# KiCad board BACKUP_PCB.kicad_pcb (continued)
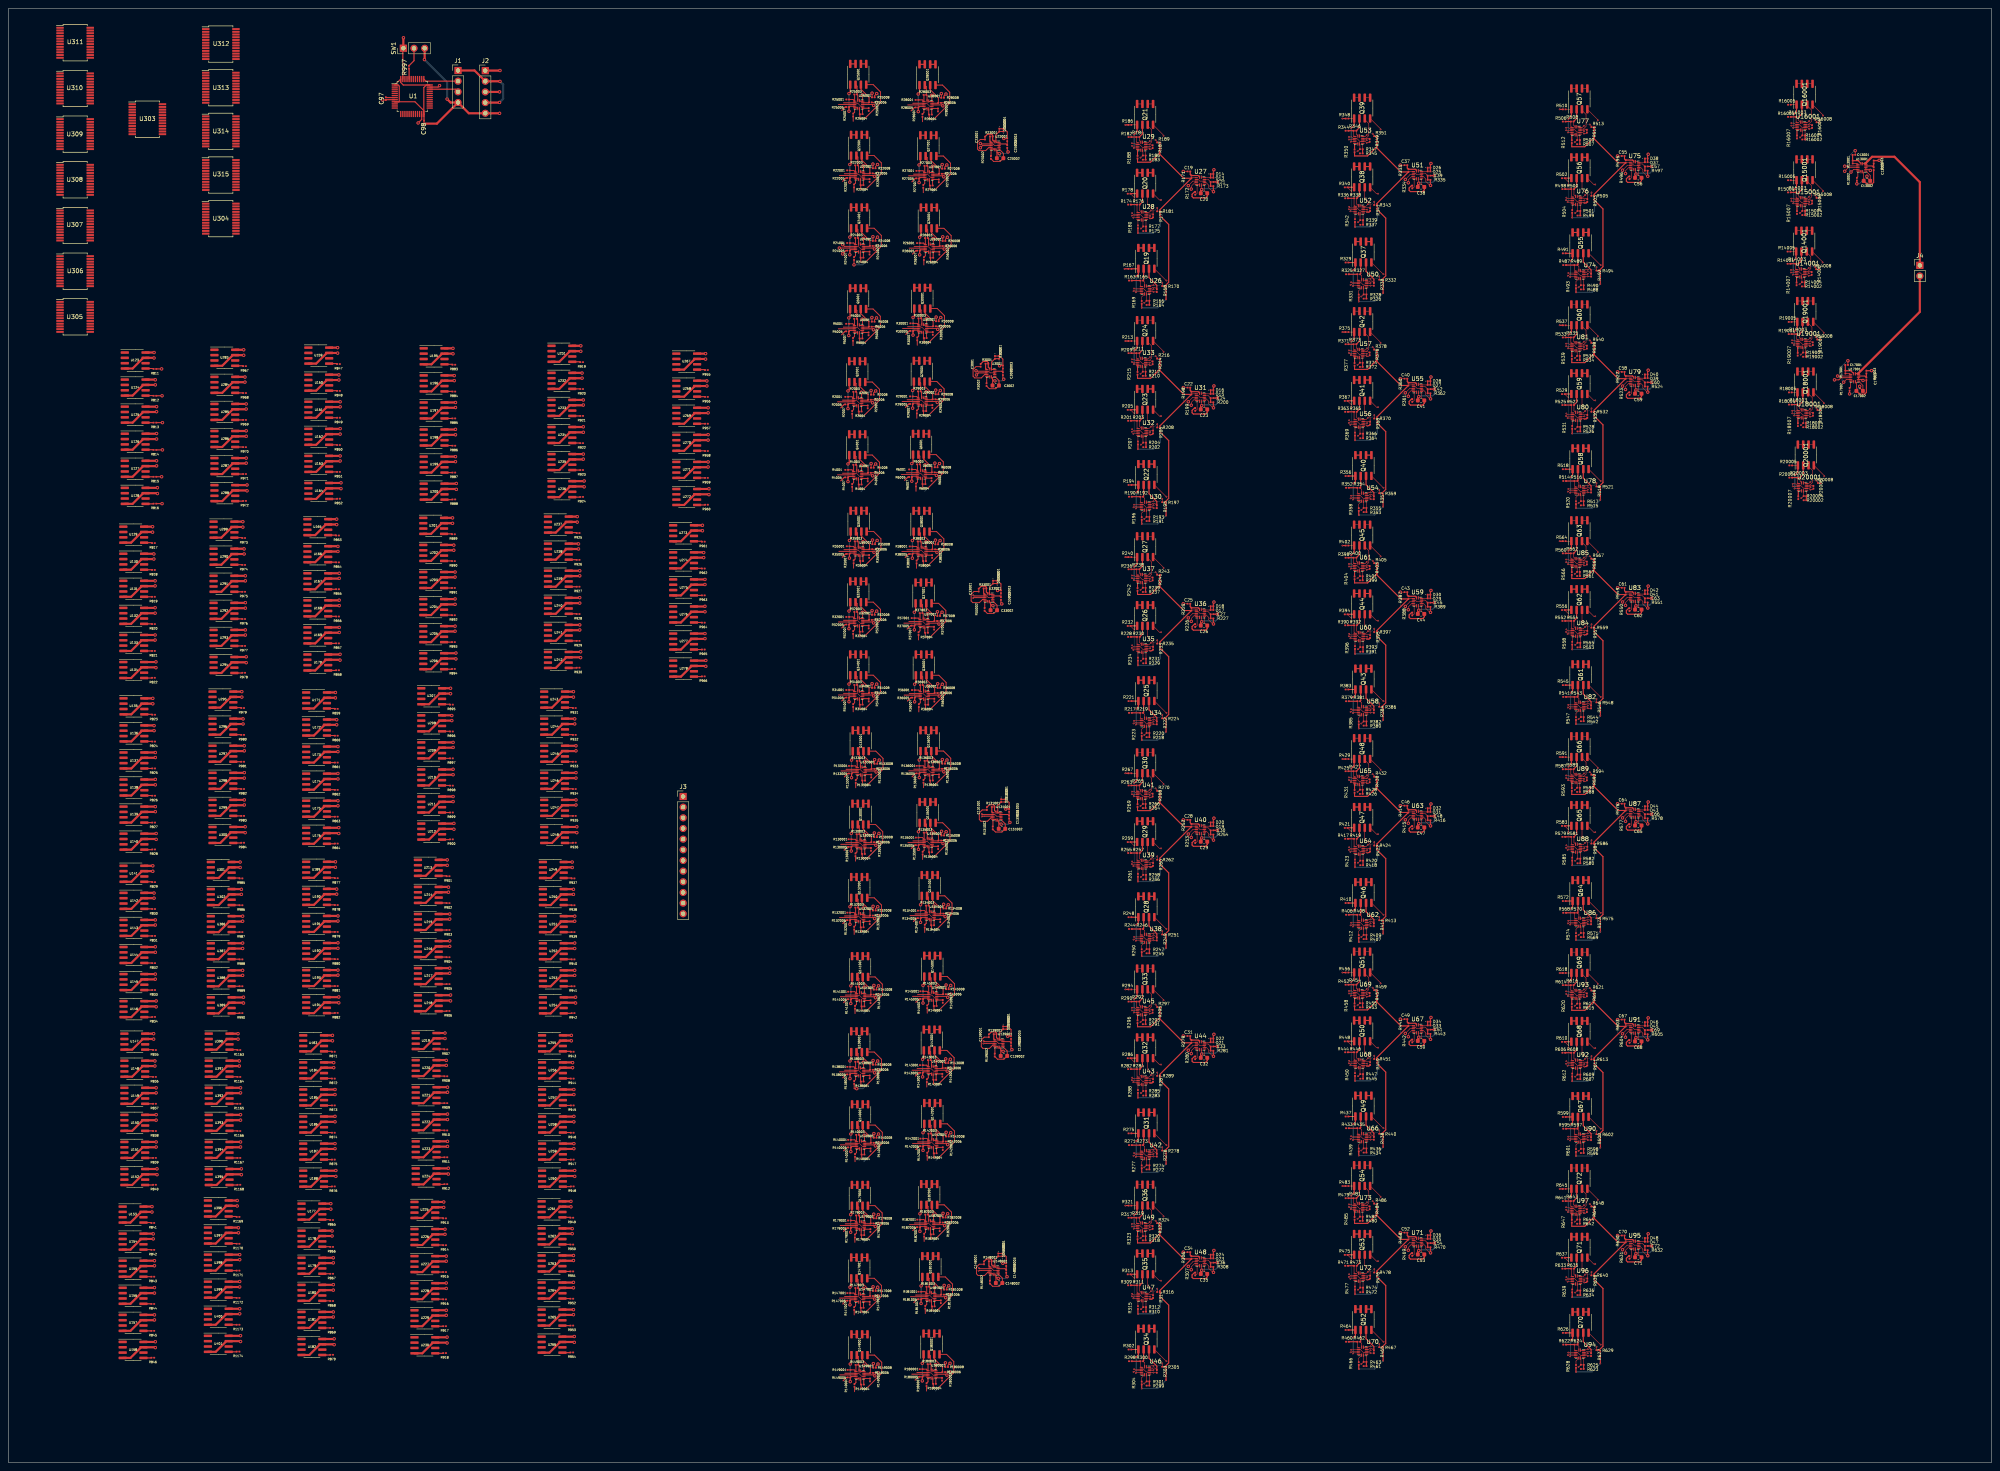
[diagram p0: board, top side]
## Routing (per net, layer and track width the routed paths; a pad name or vN(x,y) marks a point on that pad's centre or on a via; arc(x,y) is an arc through that point) (continued)
Net-(U20001B--): length 2.3
  Top w0.1: U20001.5 427.01,231.7 U20001.6
  Top w0.25: 426.41,231.67 426.38,231.67 426.36,231.65 R20007.1
Net-(U20001C--): length 2.4
  Top w0.1: R20004.1 428.28,231.67
  Top w0.25: R20004.1 R20002.2
Net-(U20001D--): length 4.2
  Top w0.1: R20008.1 431.04,233.62 v1(430.66,234) ; U20001.13 428.16,233.45 U20001.12 428.86,233.3 v1(429.26,233.7)
  Bottom w0.1: v1(429.26,233.7) 429.56,234 v1(430.66,234)
Net-(U22001A--): length 3.1
  Top w0.2: R22001.2 201.38,307.9 U22001.1 201.78,309.03 R22003.1
Net-(U22001B--): length 2.3
  Top w0.2: U22001.6 202.38,305.9 U22001.5 201.78,304.87 R22007.1
Net-(U22001C--): length 3
  Top w0.2: R22004.1 203.65,305.87 U22001.8 203.76,305.82 R22002.2
Net-(U22001D--): length 5.8
  Top w0.2: R22008.1 205.93,308.42 v2(205.93,309.4) ; v2(203.63,309) 203.68,308.95 U22001.12 203.08,307.5 U22001.13
  Bottom w0.2: v2(203.63,309) 205.53,309 v2(205.93,309.4)
Net-(U23001B-+): length 7.4
  Top w0.2: U23001.4 233.58,313.4 232.78,312.6 231.23,312.6 230.83,313 230.83,314.59 231.52,315.28 C23001.2
Net-(U23001B--): length 2.5
  Top w0.2: R23002.1 234.08,311.37 U23001.5 234.68,313 U23001.6
Net-(U23001C--): length 6.2
  Top w0.2: U23001.8 237,311.98 C23002.1 236.23,310.02 234.68,310.02 R23002.2
Net-(U23001D-+): length 3
  Top w0.2: R23003.1 C23003.2 237.65,314.2 U23001.11
Net-(U24001A--): length 3.1
  Top w0.2: R24003.1 201.78,291.73 U24001.1 201.38,290.6 R24001.2
Net-(U24001B--): length 2.3
  Top w0.2: U24001.6 202.38,288.6 U24001.5 201.78,287.57 R24007.1
Net-(U24001C--): length 3
  Top w0.2: R24004.1 203.65,288.57 U24001.8 203.76,288.52 R24002.2
Net-(U24001D--): length 5.8
  Top w0.2: R24008.1 205.93,291.12 v2(205.93,292.1) ; U24001.13 203.08,290.2 U24001.12 203.68,291.65 v2(203.63,291.7)
  Bottom w0.2: v2(205.93,292.1) 205.53,291.7 v2(203.63,291.7)
Net-(U25001A--): length 3.1
  Top w0.2: R25003.1 201.58,325.93 U25001.1 201.18,324.8 R25001.2
Net-(U25001B--): length 2.3
  Top w0.2: U25001.6 202.18,322.8 U25001.5 201.58,321.77 R25007.1
Net-(U25001C--): length 3
  Top w0.2: R25004.1 203.45,322.77 U25001.8 203.56,322.72 R25002.2
Net-(U25001D--): length 5.8
  Top w0.2: U25001.13 202.88,324.4 U25001.12 203.48,325.85 v2(203.43,325.9) ; R25008.1 205.73,325.32 v2(205.73,326.3)
  Bottom w0.2: v2(203.43,325.9) 205.33,325.9 v2(205.73,326.3)
Net-(U26001A--): length 3.1
  Top w0.2: R26001.2 218.01,290.57 U26001.1 218.41,291.7 R26003.1
Net-(U26001B--): length 2.3
  Top w0.2: U26001.6 219.01,288.57 U26001.5 218.41,287.55 R26007.1
Net-(U26001C--): length 3
  Top w0.2: R26004.1 220.28,288.55 U26001.8 220.39,288.5 221.76,288.5
Net-(U26001D--): length 5.8
  Top w0.2: U26001.13 219.71,290.18 U26001.12 220.31,291.62 v2(220.26,291.68) ; R26008.1 222.56,291.1 v2(222.56,292.07)
  Bottom w0.2: v2(220.26,291.68) 222.16,291.68 v2(222.56,292.07)
Net-(U27001A--): length 3.1
  Top w0.2: R27001.2 217.88,307.8 U27001.1 218.28,308.93 R27003.1
Net-(U27001B--): length 2.3
  Top w0.2: U27001.6 218.88,305.8 U27001.5 218.28,304.77 R27007.1
Net-(U27001C--): length 3
  Top w0.2: R27004.1 220.15,305.77 U27001.8 220.26,305.72 R27002.2
Net-(U27001D--): length 5.8
  Top w0.2: v2(222.43,309.3) 222.43,308.32 R27008.1 ; U27001.13 219.58,307.4 U27001.12 220.18,308.85 v2(220.13,308.9)
  Bottom w0.2: v2(222.43,309.3) 222.03,308.9 v2(220.13,308.9)
Net-(U28001A--): length 3.1
  Top w0.2: R28001.2 217.68,324.7 U28001.1 218.08,325.83 R28003.1
Net-(U28001B--): length 2.3
  Top w0.2: R28007.1 218.08,321.67 U28001.5 218.68,322.7 U28001.6
Net-(U28001C--): length 3
  Top w0.2: R28004.1 219.95,322.67 U28001.8 220.06,322.62 R28002.2
Net-(U28001D--): length 5.8
  Top w0.2: v2(219.93,325.8) 219.98,325.75 U28001.12 219.38,324.3 U28001.13 ; R28008.1 222.23,325.22 v2(222.23,326.2)
  Bottom w0.2: v2(219.93,325.8) 221.83,325.8 v2(222.23,326.2)
Net-(U29001A--): length 3.1
  Top w0.2: R29003.1 216.74,255.18 U29001.1 216.34,254.05 R29001.2
Net-(U29001B--): length 2.3
  Top w0.2: U29001.6 217.34,252.05 U29001.5 216.74,251.02 R29007.1
Net-(U29001C--): length 3
  Top w0.2: R29002.2 218.72,251.97 U29001.8 218.61,252.02 R29004.1
Net-(U29001D--): length 5.8
  Top w0.2: v2(218.59,255.15) 218.64,255.1 U29001.12 218.04,253.65 U29001.13 ; R29008.1 220.89,254.57 v2(220.89,255.55)
  Bottom w0.2: v2(220.89,255.55) 220.49,255.15 v2(218.59,255.15)
Net-(U30001A--): length 3.1
  Top w0.2: R30001.2 216.44,271.45 U30001.1 216.84,272.58 R30003.1
Net-(U30001B--): length 2.3
  Top w0.2: R30007.1 216.84,268.42 U30001.5 217.44,269.45 U30001.6
Net-(U30001C--): length 3
  Top w0.2: R30002.2 218.82,269.37 U30001.8 218.71,269.42 R30004.1
Net-(U30001D--): length 5.8
  Top w0.2: v2(220.99,272.95) 220.99,271.97 R30008.1 ; v2(218.69,272.55) 218.74,272.5 U30001.12 218.14,271.05 U30001.13
  Bottom w0.2: v2(220.99,272.95) 220.59,272.55 v2(218.69,272.55)
Net-(U32001A--): length 3.1
  Top w0.2: R32003.1 201.58,202.63 U32001.1 201.18,201.5 R32001.2
Net-(U32001B--): length 2.3
  Top w0.2: U32001.6 202.18,199.5 U32001.5 201.58,198.47 R32007.1
Net-(U32001C--): length 3
  Top w0.2: R32002.2 203.56,199.42 U32001.8 203.45,199.47 R32004.1
Net-(U32001D--): length 5.8
  Top w0.2: R32008.1 205.73,202.02 v2(205.73,203) ; v2(203.43,202.6) 203.48,202.55 U32001.12 202.88,201.1 U32001.13
  Bottom w0.2: v2(205.73,203) 205.33,202.6 v2(203.43,202.6)
Net-(U33001B-+): length 7.4
  Top w0.2: U33001.4 232.08,205.7 231.28,204.9 229.73,204.9 229.33,205.3 229.33,206.89 230.02,207.58 C33001.2
Net-(U33001B--): length 2.5
  Top w0.2: R33002.1 232.58,203.67 U33001.5 233.18,205.3 U33001.6
Net-(U33001C--): length 6.2
  Top w0.2: R33002.2 233.18,202.32 234.73,202.32 C33002.1 235.5,204.28 U33001.8
Net-(U33001D-+): length 3
  Top w0.2: R33003.1 C33003.2 236.15,206.5 U33001.11
Net-(U34001A--): length 3.1
  Top w0.2: R34001.2 201.18,184.1 U34001.1 201.58,185.23 R34003.1
Net-(U34001B--): length 2.3
  Top w0.2: U34001.6 202.18,182.1 U34001.5 201.58,181.07 R34007.1
Net-(U34001C--): length 3
  Top w0.2: R34004.1 203.45,182.07 U34001.8 203.56,182.02 R34002.2
Net-(U34001D--): length 5.8
  Top w0.2: v2(205.73,185.6) 205.73,184.62 R34008.1 ; v2(203.43,185.2) 203.48,185.15 U34001.12 202.88,183.7 U34001.13
  Bottom w0.2: v2(205.73,185.6) 205.33,185.2 v2(203.43,185.2)
Net-(U35001A--): length 3.1
  Top w0.2: R35001.2 201.28,218.32 U35001.1 201.68,219.46 R35003.1
Net-(U35001B--): length 2.3
  Top w0.2: U35001.6 202.28,216.32 U35001.5 201.68,215.29 R35007.1
Net-(U35001C--): length 3
  Top w0.2: R35002.2 203.66,216.25 U35001.8 203.55,216.29 R35004.1
Net-(U35001D--): length 5.8
  Top w0.2: v2(203.53,219.43) 203.58,219.38 U35001.12 202.98,217.93 U35001.13 ; R35008.1 205.83,218.84 v2(205.83,219.82)
  Bottom w0.2: v2(203.53,219.43) 205.43,219.43 v2(205.83,219.82)
Net-(U36001A--): length 3.1
  Top w0.2: R36001.2 216.81,184.07 U36001.1 217.21,185.21 R36003.1
Net-(U36001B--): length 2.3
  Top w0.2: R36007.1 217.21,181.04 U36001.5 217.81,182.07 U36001.6
Net-(U36001C--): length 3
  Top w0.2: R36002.2 219.19,182 U36001.8 219.08,182.04 R36004.1
Net-(U36001D--): length 5.8
  Top w0.2: v2(221.36,185.57) 221.36,184.59 R36008.1 ; v2(219.06,185.18) 219.11,185.12 U36001.12 218.51,183.68 U36001.13
  Bottom w0.2: v2(219.06,185.18) 220.96,185.18 v2(221.36,185.57)
Net-(U37001A--): length 3.1
  Top w0.2: R37001.2 216.75,201.22 217.15,200.82 217.15,202.35 R37003.1
Net-(U37001B--): length 2.3
  Top w0.2: R37007.1 217.15,198.19 U37001.5 217.75,199.22 U37001.6
Net-(U37001C--): length 3
  Top w0.2: R37004.1 219.02,199.19 U37001.8 219.13,199.15 R37002.2
Net-(U37001D--): length 5.8
  Top w0.2: v2(221.3,202.72) 221.3,201.75 R37008.1 ; v2(219,202.32) 219.05,202.28 219.05,200.82 218.45,200.82 U37001.13
  Bottom w0.2: v2(219,202.32) 220.9,202.32 v2(221.3,202.72)
Net-(U38001A--): length 3.1
  Top w0.2: R38001.2 216.28,218.3 U38001.1 216.68,219.43 R38003.1
Net-(U38001B--): length 2.3
  Top w0.2: U38001.6 217.28,216.3 U38001.5 216.68,215.27 R38007.1
Net-(U38001C--): length 3
  Top w0.2: R38004.1 218.55,216.27 U38001.8 218.66,216.22 R38002.2
Net-(U38001D--): length 5.8
  Top w0.2: U38001.13 217.98,217.9 U38001.12 218.58,219.35 v2(218.53,219.4) ; v2(220.83,219.8) 220.83,218.82 R38008.1
  Bottom w0.2: v2(220.83,219.8) 220.43,219.4 v2(218.53,219.4)
Net-(U130001A--): length 3.1
  Top w0.2: R130001.2 201.72,148.53 U130001.1 202.12,149.66 R130003.1
Net-(U130001B--): length 2.3
  Top w0.2: U130001.6 202.72,146.53 U130001.5 202.12,145.5 R130007.1
Net-(U130001C--): length 3
  Top w0.2: R130002.2 204.1,146.44 U130001.8 203.99,146.5 R130004.1
Net-(U130001D--): length 5.8
  Top w0.2: R130008.1 206.27,149.04 v2(206.27,150.03) ; 203.27,148.28 203.42,148.12 U130001.12 204.02,149.57 v2(203.97,149.62)
  Bottom w0.2: v2(206.27,150.03) 205.87,149.62 v2(203.97,149.62)
Net-(U131001B-+): length 7.4
  Top w0.2: U131001.4 234.02,153.62 233.22,152.83 231.67,152.83 231.27,153.22 231.27,154.81 231.96,155.5 C131001.2
Net-(U131001B--): length 2.5
  Top w0.2: R131002.1 234.52,151.59 U131001.5 235.12,153.22 U131001.6
Net-(U131001C--): length 6.2
  Top w0.2: R131002.2 235.12,150.25 236.67,150.25 C131002.1 237.44,152.2 U131001.8
Net-(U131001D-+): length 3
  Top w0.2: 238.37,155.1 C131003.2 238.09,154.43 U131001.11
Net-(U132001A--): length 3.1
  Top w0.2: R132003.1 201.82,132.18 U132001.1 201.42,131.05 R132001.2
Net-(U132001B--): length 2.3
  Top w0.2: R132007.1 201.82,128.02 U132001.5 202.42,129.05 U132001.6
Net-(U132001C--): length 3
  Top w0.2: R132002.2 203.8,128.97 U132001.8 203.69,129.02 R132004.1
Net-(U132001D--): length 5.8
  Top w0.2: v2(203.67,132.15) 203.72,132.1 U132001.12 203.12,130.65 U132001.13 ; v2(205.97,132.55) 205.97,131.57 R132008.1
  Bottom w0.2: v2(203.67,132.15) 205.57,132.15 v2(205.97,132.55)
Net-(U133001A--): length 3.1
  Top w0.2: R133003.1 202.19,167.13 U133001.1 201.79,166 R133001.2
Net-(U133001B--): length 2.3
  Top w0.2: U133001.6 202.79,164 U133001.5 202.19,162.97 R133007.1
Net-(U133001C--): length 3
  Top w0.2: R133002.2 204.17,163.92 U133001.8 204.06,163.97 R133004.1
Net-(U133001D--): length 5.8
  Top w0.2: v2(204.04,167.1) 204.09,167.05 U133001.12 203.49,165.6 U133001.13 ; v2(206.34,167.5) 206.34,166.52 R133008.1
  Bottom w0.2: v2(204.04,167.1) 205.94,167.1 v2(206.34,167.5)
Net-(U134001A--): length 3.1
  Top w0.2: R134001.2 218.22,131.53 U134001.1 218.62,132.66 R134003.1
Net-(U134001B--): length 2.3
  Top w0.2: R134007.1 218.62,128.5 U134001.5 219.22,129.53 U134001.6
Net-(U134001C--): length 3
  Top w0.2: R134004.1 220.49,129.5 U134001.8 220.6,129.44 R134002.2
Net-(U134001D--): length 5.8
  Top w0.2: R134008.1 222.77,132.04 v2(222.77,133.03) ; 219.77,131.28 219.92,131.12 U134001.12 220.52,132.57 v2(220.47,132.62)
  Bottom w0.2: v2(220.47,132.62) 222.37,132.62 v2(222.77,133.03)
Net-(U135001A--): length 3.1
  Top w0.2: R135001.2 217.72,148.93 U135001.1 218.12,150.06 R135003.1
Net-(U135001B--): length 2.3
  Top w0.2: U135001.6 218.72,146.93 U135001.5 218.12,145.9 R135007.1
Net-(U135001C--): length 3
  Top w0.2: R135002.2 220.1,146.84 U135001.8 219.99,146.9 R135004.1
Net-(U135001D--): length 5.8
  Top w0.2: v2(222.27,150.43) 222.27,149.44 R135008.1 ; 219.27,148.68 219.42,148.53 U135001.12 220.02,149.97 v2(219.97,150.03)
  Bottom w0.2: v2(222.27,150.43) 221.87,150.03 v2(219.97,150.03)
Net-(U136001A--): length 3.1
  Top w0.2: R136001.2 217.92,166.03 U136001.1 218.32,167.16 R136003.1
Net-(U136001B--): length 2.3
  Top w0.2: U136001.6 218.92,164.03 U136001.5 218.32,163 R136007.1
Net-(U136001C--): length 3
  Top w0.2: R136002.2 220.3,163.94 U136001.8 220.19,164 R136004.1
Net-(U136001D--): length 5.8
  Top w0.2: R136008.1 222.47,166.54 v2(222.47,167.53) ; 219.47,165.78 219.62,165.62 U136001.12 220.22,167.07 v2(220.17,167.12)
  Bottom w0.2: v2(222.47,167.53) 222.07,167.12 v2(220.17,167.12)
Net-(U138001A--): length 3.1
  Top w0.2: R138003.1 201.82,95.43 U138001.1 201.42,94.3 R138001.2
Net-(U138001B--): length 2.3
  Top w0.2: R138007.1 201.82,91.27 U138001.5 202.42,92.3 U138001.6
Net-(U138001C--): length 3
  Top w0.2: R138004.1 203.69,92.27 U138001.8 203.8,92.22 R138002.2
Net-(U138001D--): length 5.8
  Top w0.2: R138008.1 205.97,94.82 v2(205.97,95.8) ; U138001.13 203.12,93.9 U138001.12 203.72,95.35 v2(203.67,95.4)
  Bottom w0.2: v2(205.97,95.8) 205.57,95.4 v2(203.67,95.4)
Net-(U139001B-+): length 7.4
  Top w0.2: C139001.2 232.43,101.38 231.74,100.69 231.74,99.1 232.14,98.7 233.7,98.7 234.49,99.5 U139001.4
Net-(U139001B--): length 2.5
  Top w0.2: U139001.6 235.59,99.1 U139001.5 234.99,97.47 R139002.1
Net-(U139001C--): length 6.2
  Top w0.2: U139001.8 237.91,98.07 C139002.1 237.14,96.12 235.59,96.12 R139002.2
Net-(U139001D-+): length 3
  Top w0.2: R139003.1 C139003.2 238.56,100.3 U139001.11
Net-(U140001A--): length 3.1
  Top w0.2: R140003.1 202.02,78.03 U140001.1 201.62,76.9 R140001.2
Net-(U140001B--): length 2.3
  Top w0.2: U140001.6 202.62,74.9 U140001.5 202.02,73.87 R140007.1
Net-(U140001C--): length 3
  Top w0.2: R140004.1 203.89,74.87 U140001.8 204,74.82 R140002.2
Net-(U140001D--): length 5.8
  Top w0.2: R140008.1 206.17,77.42 v2(206.17,78.4) ; v2(203.87,78) 203.92,77.95 U140001.12 203.32,76.5 U140001.13
  Bottom w0.2: v2(203.87,78) 205.77,78 v2(206.17,78.4)
Net-(U141001A--): length 3.1
  Top w0.2: R141003.1 202.02,113.33 U141001.1 201.62,112.2 R141001.2
Net-(U141001B--): length 2.3
  Top w0.2: R141007.1 202.02,109.17 U141001.5 202.62,110.2 U141001.6
Net-(U141001C--): length 3
  Top w0.2: R141004.1 203.89,110.17 U141001.8 204,110.12 R141002.2
Net-(U141001D--): length 5.8
  Top w0.2: R141008.1 206.17,112.72 v2(206.17,113.7) ; U141001.13 203.32,111.8 U141001.12 203.92,113.25 v2(203.87,113.3)
  Bottom w0.2: v2(206.17,113.7) 205.77,113.3 v2(203.87,113.3)
Net-(U142001A--): length 3.1
  Top w0.2: R142001.2 218.82,77.2 U142001.1 219.22,78.33 R142003.1
Net-(U142001B--): length 2.3
  Top w0.2: U142001.6 219.82,75.2 U142001.5 219.22,74.17 R142007.1
Net-(U142001C--): length 3
  Top w0.2: R142002.2 221.2,75.12 U142001.8 221.09,75.17 R142004.1
Net-(U142001D--): length 5.8
  Top w0.2: U142001.13 220.52,76.8 U142001.12 221.12,78.25 v2(221.07,78.3) ; v2(223.37,78.7) 223.37,77.72 R142008.1
  Bottom w0.2: v2(223.37,78.7) 222.97,78.3 v2(221.07,78.3)
Net-(U143001A--): length 3.1
  Top w0.2: R143001.2 218.72,94.7 U143001.1 219.12,95.83 R143003.1
Net-(U143001B--): length 2.3
  Top w0.2: R143007.1 219.12,91.67 U143001.5 219.72,92.7 U143001.6
Net-(U143001C--): length 3
  Top w0.2: R143002.2 221.1,92.62 U143001.8 220.99,92.67 R143004.1
Net-(U143001D--): length 5.8
  Top w0.2: v2(220.97,95.8) 221.02,95.75 U143001.12 220.42,94.3 U143001.13 ; R143008.1 223.27,95.22 v2(223.27,96.2)
  Bottom w0.2: v2(220.97,95.8) 222.87,95.8 v2(223.27,96.2)
Net-(U145001A--): length 3.1
  Top w0.2: R145001.2 218.82,112.3 U145001.1 219.22,113.43 R145003.1
Net-(U145001B--): length 2.3
  Top w0.2: R145007.1 219.22,109.27 U145001.5 219.82,110.3 U145001.6
Net-(U145001C--): length 3
  Top w0.2: R145004.1 221.09,110.27 U145001.8 221.2,110.22 R145002.2
Net-(U145001D--): length 5.8
  Top w0.2: v2(221.07,113.4) 221.12,113.35 U145001.12 220.52,111.9 U145001.13 ; v2(223.37,113.8) 223.37,112.82 R145008.1
  Bottom w0.2: v2(221.07,113.4) 222.97,113.4 v2(223.37,113.8)
Net-(U147001A--): length 3.1
  Top w0.2: R147003.1 201.82,41.52 U147001.1 201.42,40.39 R147001.2
Net-(U147001B--): length 2.3
  Top w0.2: R147007.1 201.82,37.36 U147001.5 202.42,38.39 U147001.6
Net-(U147001C--): length 3
  Top w0.2: R147004.1 203.69,38.36 U147001.8 203.8,38.31 R147002.2
Net-(U147001D--): length 5.8
  Top w0.2: v2(205.97,41.89) 205.97,40.91 R147008.1 ; U147001.13 203.12,39.99 U147001.12 203.72,41.44 v2(203.67,41.49)
  Bottom w0.2: v2(203.67,41.49) 205.57,41.49 v2(205.97,41.89)
Net-(U148001B-+): length 7.4
  Top w0.2: U148001.4 233.34,45.39 232.54,44.6 230.98,44.6 230.58,44.99 230.58,46.58 231.27,47.27 C148001.2
Net-(U148001B--): length 2.5
  Top w0.2: R148002.1 233.83,43.36 U148001.5 234.43,44.99 U148001.6
Net-(U148001C--): length 6.2
  Top w0.2: U148001.8 236.76,43.97 C148002.1 235.98,42.02 234.44,42.02 R148002.2
Net-(U148001D-+): length 3
  Top w0.2: R148003.1 C148003.2 237.4,46.19 U148001.11
Net-(U149001A--): length 3.1
  Top w0.2: R149001.2 201.48,22.09 U149001.1 201.88,23.22 R149003.1
Net-(U149001B--): length 2.3
  Top w0.2: U149001.6 202.48,20.09 U149001.5 201.88,19.06 R149007.1
Net-(U149001C--): length 3
  Top w0.2: R149004.1 203.75,20.06 U149001.8 203.86,20.01 R149002.2
Net-(U149001D--): length 5.8
  Top w0.2: R149008.1 206.03,22.61 v2(206.03,23.59) ; U149001.13 203.18,21.69 U149001.12 203.78,23.14 v2(203.73,23.19)
  Bottom w0.2: v2(203.73,23.19) 205.63,23.19 v2(206.03,23.59)
Net-(U179001A--): length 3.1
  Top w0.2: R179003.1 201.98,58.82 U179001.1 201.58,57.69 R179001.2
Net-(U179001B--): length 2.3
  Top w0.2: R179007.1 201.98,54.66 U179001.5 202.58,55.69 U179001.6
Net-(U179001C--): length 3
  Top w0.2: R179004.1 203.85,55.66 U179001.8 203.96,55.61 R179002.2
Net-(U179001D--): length 5.8
  Top w0.2: U179001.13 203.28,57.29 U179001.12 203.88,58.74 v2(203.83,58.79) ; R179008.1 206.13,58.21 v2(206.13,59.19)
  Bottom w0.2: v2(203.83,58.79) 205.73,58.79 v2(206.13,59.19)
Net-(U180001A--): length 3.1
  Top w0.2: R180003.1 219.05,23.4 U180001.1 218.65,22.27 R180001.2
Net-(U180001B--): length 2.3
  Top w0.2: R180007.1 219.05,19.24 U180001.5 219.65,20.27 U180001.6
Net-(U180001C--): length 3
  Top w0.2: R180004.1 220.92,20.24 U180001.8 221.03,20.19 R180002.2
Net-(U180001D--): length 5.8
  Top w0.2: v2(220.9,23.37) 220.95,23.32 U180001.12 220.35,21.87 U180001.13 ; R180008.1 223.2,22.79 v2(223.2,23.77)
  Bottom w0.2: v2(220.9,23.37) 222.8,23.37 v2(223.2,23.77)
Net-(U181001A--): length 3.1
  Top w0.2: R181001.2 218.35,40.72 U181001.1 218.75,41.85 R181003.1
Net-(U181001B--): length 2.3
  Top w0.2: U181001.6 219.35,38.72 U181001.5 218.75,37.69 R181007.1
Net-(U181001C--): length 3
  Top w0.2: R181002.2 220.73,38.64 U181001.8 220.62,38.69 R181004.1
Net-(U181001D--): length 5.8
  Top w0.2: R181008.1 222.9,41.24 v2(222.9,42.22) ; U181001.13 220.05,40.32 U181001.12 220.65,41.77 v2(220.6,41.82)
  Bottom w0.2: v2(222.9,42.22) 222.5,41.82 v2(220.6,41.82)
Net-(U182001A--): length 3.1
  Top w0.2: R182003.1 218.48,59.02 U182001.1 218.08,57.89 R182001.2
Net-(U182001B--): length 2.3
  Top w0.2: U182001.6 219.08,55.89 U182001.5 218.48,54.86 R182007.1
Net-(U182001C--): length 3
  Top w0.2: R182004.1 220.35,55.86 U182001.8 220.46,55.81 R182002.2
Net-(U182001D--): length 5.8
  Top w0.2: v2(222.63,59.39) 222.63,58.41 R182008.1 ; v2(220.33,58.99) 220.38,58.94 U182001.12 219.78,57.49 U182001.13
  Bottom w0.2: v2(220.33,58.99) 222.23,58.99 v2(222.63,59.39)

## Copper pours and planes (outline as drawn; the poured copper is in the pictures)
+5V on 5V_In2.Cu: 572.1,-51.6 -2,-51.6 -2,348.6 572.1,348.6
-5V on Neg5V_In4.Cu: 572.1,-51.6 -2.1,-51.6 -2.1,348.7 572.1,348.7
GND on GND_In3.Cu: 572,-51.5 -2,-51.5 -2,348.6 572,348.6
